# Altium PCB PCBV1.PcbDoc (part 2 of 3) (continued)
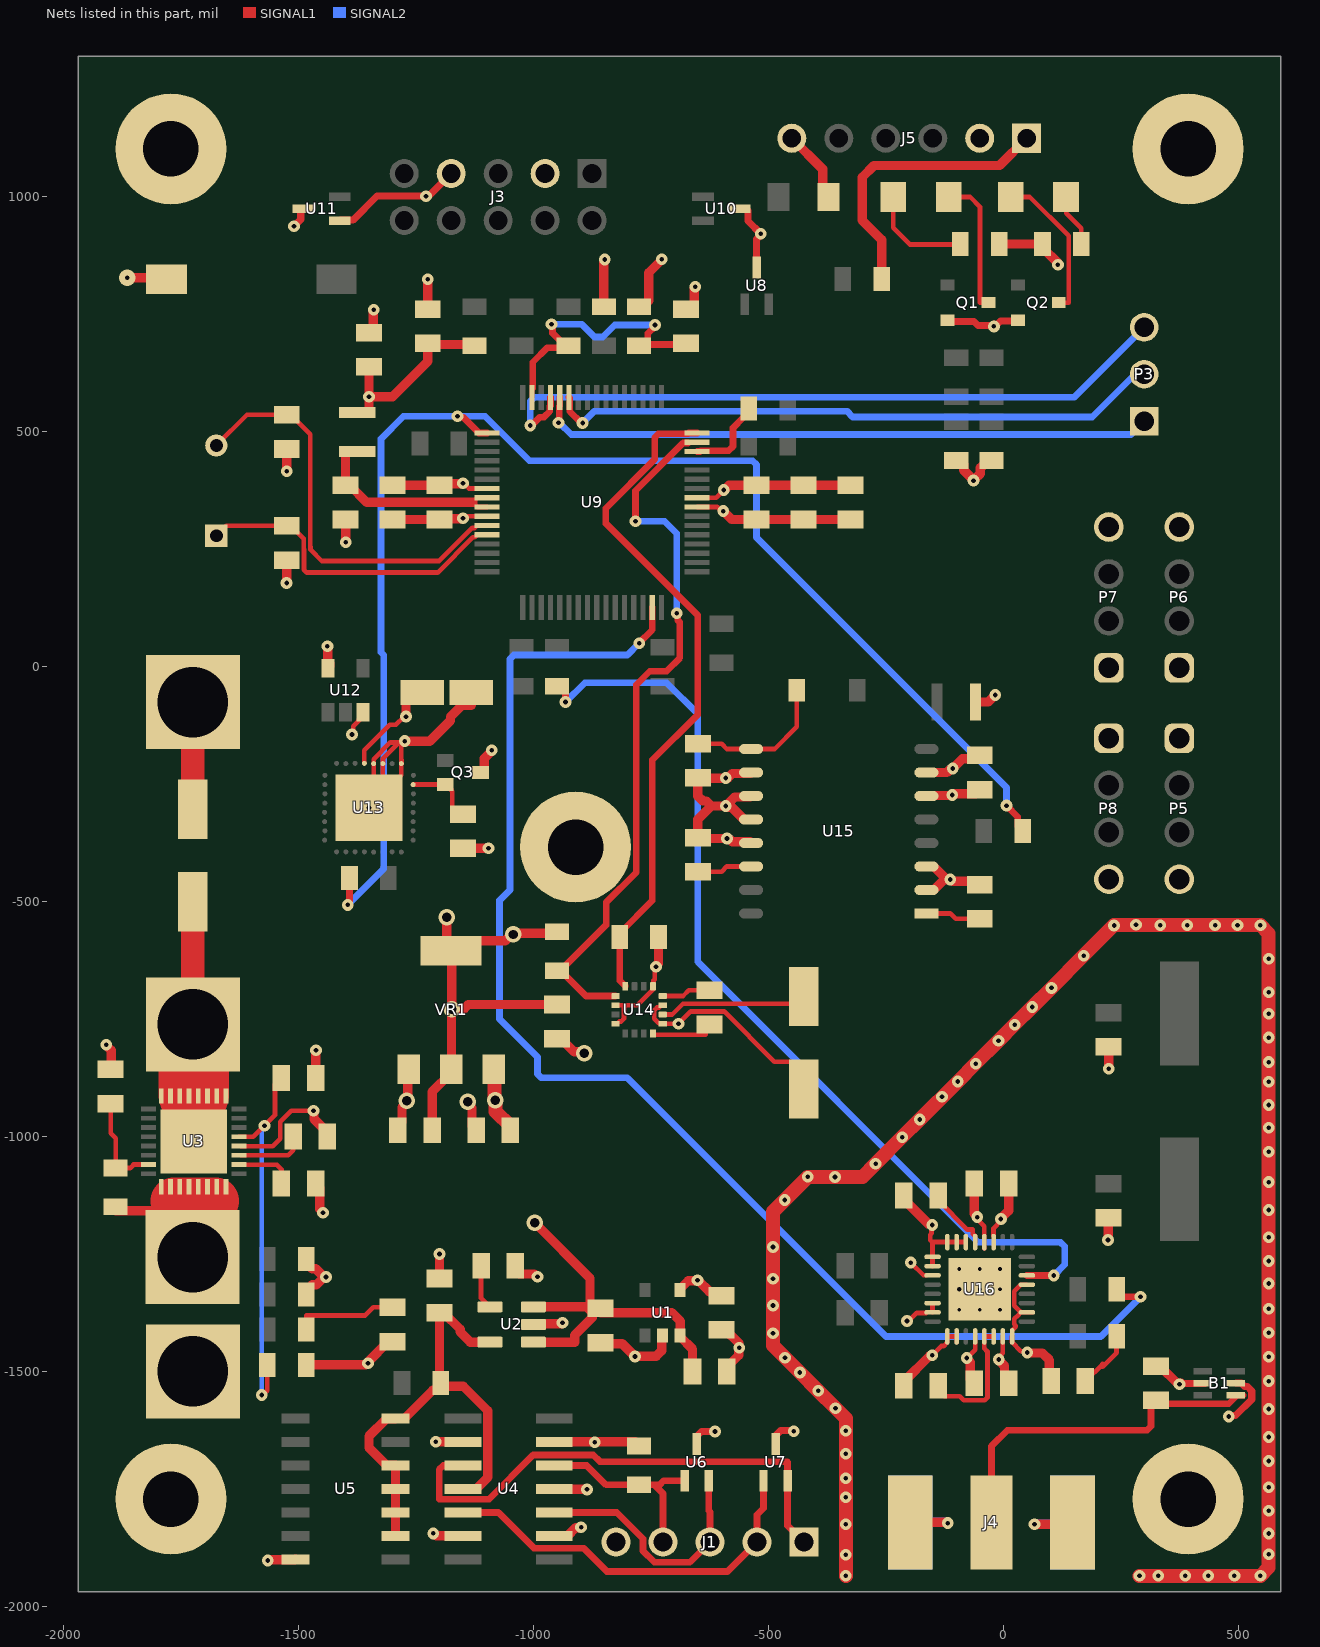
[diagram p4: the nets of this part, all layers, seen from the top]
## Part data (continued)
Y1: library part CMP-1749-00003-1, "Resistance Weld Thru-Hole Crystal, 16 MHz, -20 to 70 degC, 2-Pin THD, RoHS, Bulk", Case\Package=Axial, Max Operating Temperature="155 degC", Min Operating Temperature="-55 degC", Package Quantity=200, Power Rating="250 mW", Resistance="221 kohm", Tolerance=1%, Voltage Rating="250 V", ComponentLink1Description="Manufacturer URL", ComponentLink1URL=http://www.foxonline.com/, ComponentLink2Description=Datasheet, ComponentLink2URL=http://www.foxonline.com/pdfs/hc49slf.pdf, DatasheetVersion=Mar-15, Length="0.248 inch", Mount="Through Hole", PackageDescription="2-Pin Through Hole Device, Body 11.35 x 4.65 mm", PackageReference=FOXSLF160-20, Packaging=Bulk, RoHSCompliant=true

## Free pads (board coordinates)
  round 236.22 hole 118.11: 1(-1771.65,-1771.65) 1(-1771.65,1102.36) 1(-910.16,-383.86) 1(393.7,-1771.65) 1(393.7,1102.36)

## Via types
v1: diameter 25, hole 10, SIGNAL1 to SIGNAL2, 203 vias
v2: diameter 19.68, hole 7.87, SIGNAL1 to SIGNAL2, 9 vias
v3: diameter 35, hole 20, SIGNAL1 to SIGNAL2, 8 vias
v4: diameter 35, hole 10, SIGNAL1 to SIGNAL2, 2 vias

## Nets (pads, with @x,y where several pads share a name; then routed paths per layer and width w, separated by ;. In a path a pad name is that pad's centre, name@x,y a point inside that pad or via, vN(x,y) a via of type N, cw(c..) or ccw(c..) an arc to the next point about the centre after c; other vN are vias at no path point)
+3V3: C7.1 C14.1 C15.1 C16.1 C17.1 C18.1 C19.1 C24.1 C26.1 C28.2 C31.2 CB3.2 CB4.2 J3.7 J5.2 L1.1 L2.1 P5.1 P6.1 P7.1 P8.1 Q3.3 R9.2 R10.2 R15.2 R16.2 R28.1 R29.1 U9.7 U9.41 U11.1 U12.5 U13.5 U14.2 U14.4 U14.13 U15.6 U16.15 U16.28 VR1.2 VR1.4 | length 3488.3
  SIGNAL1 w10: U13.5@-1359.84,-205.51 -1359.84,-177.94 -1305.44,-123.54 -1292.6,-123.54 -1275.12,-106.07 v1(-1271.18,-106.07) ; C24.1@-1223.77,687.35 C24.1@-1222.54,686.12 ; v1(-1149.77,390.92) -1148.38,390.92 -1136.98,379.53 U9.7@-1098.5,379.53 ; U14.4@-825.2,-759.84 -822.24,-759.84 -817.46,-755.06 -813.2,-755.06 -807.34,-749.2 -807.34,-725.91 -801.9,-720.47 ; U14.2@-825.2,-720.47 -801.9,-720.47 ; v1(-739.16,-638.5) -742.03,-641.37 -742.03,-665.43 -744.57,-667.97 -744.57,-686.43 -778.61,-720.47 -801.9,-720.47 ; U9.41@-651.5,359.84 -610.9,359.84 v1@-594.88,375.87 ; v1(-55.24,-1171.44) -55.24,-1175.5 -40.16,-1190.58 U16.28@-40.16,-1224.61 U16.28@-40.16,-1238.37 ; v1(-9.68,-1474.4) -9.68,-1470.34 -0.79,-1461.45 U16.15@-0.79,-1425.39
  SIGNAL1 w15: U11.1@-1411.91,949.41 -1410.69,950.63 -1384.41,950.63 -1333.2,1001.83 v1(-1228.55,1001.83) -1226.64,1003.75 -1221.25,1003.75 J3.7@-1175,1050
  SIGNAL1 w20: v1(-1438.53,43.9) -1437.97,43.33 -1437.97,-2.19 U12.5@-1437.4,-2.76 -1433.62,1.02 U12.5@-1433.62,6.93 ; L1.1@-1375,541.34 -1351.81,541.34 -1350,543.15 v1(-1350,575) ; C19.1@-1350,638.58 v1(-1350,575) ; C17.1@-1300,386.42 C14.1@-1200,386.42 -1196.45,389.97 -1150.73,389.97 v1(-1149.77,390.92) ; v1(-1271.18,-106.07) -1271.18,-70.88 -1254.61,-54.3 C26.1@-1236.77,-54.3 ; C24.1@-1225,688.58 -1225,650 -1300,575 v1(-1350,575) ; C24.1@-1222.54,686.12 R16.2@-1127.46,686.12 ; C7.1@-1215.61,-986.57 -1215.61,-904.78 -1175,-864.17 VR1.2@-1175,-856.3 -1174.28,-855.58 -1174.28,-729.6 v3(-1173.56,-728.88) ; v3(-1184.19,-532.97) -1184.19,-595.14 VR1.4@-1175,-604.33 ; Q3.3@-1112.6,-225 -1108.66,-225 -1104.88,-221.22 -1104.88,-195.17 -1088.77,-179.06 v1(-1088.77,-177.7) ; C28.2@-950,-718.9 -1138.58,-718.9 -1147.48,-727.79 -1172.48,-727.79 v3(-1173.56,-728.88) ; R29.1@-950,-563.98 -952.91,-566.89 -1039.68,-566.89 v3(-1042.55,-569.76) -1046.61,-569.76 -1059.69,-582.84 -1153.5,-582.84 VR1.4@-1175,-604.33 ; R15.2@-775,766.34 -767.13,766.34 -754.41,779.05 -754.41,838.64 -726.69,866.36 v1(-726.69,867.71) ; v1(-739.16,-638.5) -739.16,-637.15 -733.66,-631.66 R28.1@-733.66,-575 ; v1(-594.88,376.51) -593.52,376.51 -583.61,386.42 C15.1@-525,386.42 C18.1@-425,386.42 C16.1@-325,386.42 ; U15.6@-163.37,-275 -162.26,-273.9 v1@-109.76,-273.9 ; v1(-108.66,-272.8) -107.31,-272.8 -104.63,-270.12 -58.7,-270.12 C31.2@-50,-261.42 C31.2@-51.44,-259.98 ; CB3.2@-61.42,-1100 -61.42,-1163.9 -55.24,-1170.09 v1(-55.24,-1171.44) ; L2.1@-58.66,-75 -31.85,-75 v1(-16.87,-60.02) ; v1(-9.68,-1474.4) -9.68,-1475.75 2.72,-1488.15 2.72,-1516.3 CB4.2@11.42,-1525 ; R10.2@-8.66,900 R9.2@83.66,900 83.66,892.13 116.39,859.4 v1(116.39,855.88) ; VR1.4@-1175,-604.33 -1173.56,-605.77 v3(-1173.56,-728.88)
+3V3_A: C20.1 L1.2 U9.8 U9.9 | length 448.8
  SIGNAL1 w10: U9.9@-1098.5,340.16 -1119.5,340.16 -1129.34,350 -1119.5,359.84 U9.8@-1098.5,359.84
  SIGNAL1 w20: L1.2@-1375,458.66 -1393.19,458.66 -1400,451.85 C20.1@-1400,386.42 -1391.14,386.42 -1354.72,350 -1129.34,350
+3V3_REF: C1.1 R2.2 U1.4 U4.2 U4.6 U4.9 U4.13 | length 486.1
  SIGNAL1 w10: R2.2@-783.66,-1650 R2.2@-775,-1658.66
  SIGNAL1 w20: v1(-1213.43,-1844.65) -1212.07,-1844.65 -1207.22,-1849.5 -1150.5,-1849.5 U4.6@-1150,-1850 ; v1(-1208.1,-1649.4) -1207.8,-1649.7 -1150.3,-1649.7 U4.2@-1150,-1650 ; U4.9@-956,-1850 -927.5,-1850 -910.3,-1832.8 -899.42,-1832.8 v1(-898.47,-1831.85) ; U4.13@-956,-1650 -870.07,-1650 v1(-869.2,-1650.87) ; v1@-869.83,-1650 -869.2,-1650 R2.2@-783.66,-1650 ; U1.4@-687.6,-1326.77 -687.6,-1323.82 -670.64,-1306.86 -651.79,-1306.86 v1(-650.83,-1305.91) -649.48,-1305.91 -625.5,-1329.88 -608.7,-1329.88 C1.1@-600,-1338.58
+5: C5.1 R1.2 U2.5 U4.4 U5.9 U5.10 U5.11 U5.12 U5.14 | length 1094.2
  SIGNAL1 w10: U4.4@-1178.5,-1750 U4.4@-1150,-1750
  SIGNAL1 w20: U5.9@-1293.5,-1850 U5.10@-1293.5,-1800 U5.11@-1293.5,-1750 U5.12@-1293.5,-1700 -1294,-1699.5 -1313,-1699.5 -1350,-1662.5 -1350,-1637.5 -1313,-1600.5 -1294,-1600.5 U5.14@-1293.5,-1600 -1274.5,-1600 -1274,-1599.5 -1214.42,-1539.92 -1204.7,-1539.92 -1200,-1535.22 -1200,-1524.33 -1200,-1474.31 C5.1@-1200,-1375 -1191.14,-1375 -1155.87,-1410.28 -1155.87,-1415.83 -1134.29,-1437.4 U2.5@-1092.52,-1437.4 ; R1.2@-1196.99,-1524.33 -1189.89,-1531.43 -1149.27,-1531.43 -1097,-1583.7 -1097,-1725.5 -1121,-1749.5 -1149.5,-1749.5 U4.4@-1150,-1750
+12: C2.1 C3.1 P1.1 R6.2 U1.3 U2.1 U2.3 U3.9 U3.10 U3.11 U3.12 U3.13 U3.14 U3.15 U3.16 | length 1172.1
  SIGNAL1 w20: R6.2@-1889.17,-1157.68 -1785.75,-1157.68 -1764.84,-1136.76 ; U2.1@-1000,-1437.4 -912.4,-1437.4 -912.4,-1422.9 -874.61,-1385.1 C2.1@-874.61,-1374.46 ; U2.3@-1000,-1362.6 -886.47,-1362.6 C2.1@-874.61,-1374.46 ; v3(-997.35,-1183.61) -879.61,-1301.36 -879.61,-1352.06 C2.1@-872.79,-1358.87 ; C3.1@-661.42,-1500 -661.42,-1452.36 -687.6,-1426.18 U1.3@-687.6,-1423.23 -687.6,-1392.72 -705.31,-1375 C2.1@-856.67,-1375 ; C2.1@-874.61,-1374.46 -865.9,-1365.76 C2.1@-861.48,-1370.19 ; C2.1@-861.48,-1370.19 C2.1@-856.67,-1375 ; C2.1@-861.48,-1370.19 C2.1@-856.67,-1375
  SIGNAL1 w100: -1764.84,-1136.76 -1693.63,-1136.76 ; -1713.32,-1136.76 -1693.63,-1136.76 ; -1676.2,-1136.76 -1693.63,-1136.76
  SIGNAL1 w150: P1.1@-1725.49,-1256.76 P1.1@-1725.49,-1176.05
+12_PROT: C6.1 C8.1 J5.1 P4.1 R8.2 U3.25 U3.26 U3.27 U3.28 U3.29 U3.30 U3.31 U3.32 U3.33 VR1.3 | length 1225
  SIGNAL1 w20: U3.31@-1772.39,-913.76 U3.30@-1752.7,-913.76 U3.29@-1733.01,-913.76 -1727.16,-913.76 -1723.16,-909.76 ; R8.2@-258.66,825 -258.66,908.66 -300.12,950.12 -300.12,1042.07 -275.06,1067.13 -7.87,1067.13 J5.1@50,1125
  SIGNAL1 w30: VR1.3@-1084.45,-856.3 -1082.52,-858.23 -1082.52,-921.8 -1080.6,-923.71 -1080.6,-946.23 -1049.12,-977.72 C6.1@-1049.12,-986.57
  SIGNAL1 w50: P4.1@-1725,-760.98 C8.1@-1725,-500
  SIGNAL1 w150: P4.1@-1725,-760.98 -1723.16,-762.82 -1723.16,-909.76
  other v3: -1081.56,-922.76
BALLUN_100: B1.1 C34.1 J4.1 | length 773.9
  SIGNAL1 w14.28: J4.1@-25,-1821 -25,-1659 9,-1625 306.3,-1625 314.66,-1616.63 314.66,-1572.98 326.22,-1561.42 335.08,-1561.42 342.28,-1568.62 412.03,-1568.62 480.11,-1568.62 498.14,-1550.59 B1.1@510.43,-1550.59
CELL_1: J1.1 U4.3 U7.2 | length 1088.6
  SIGNAL1 w14.28: U4.3@-1150,-1700 -1191.64,-1700 -1200.61,-1708.98 -1200.61,-1771.98 -1094.61,-1771.98 -1000.61,-1677.98 -872.61,-1677.98 -858.61,-1691.98 -460.07,-1691.98 -459.07,-1692.98 U7.2@-459.07,-1732.31 -459.07,-1828.25 J1.1@-424.2,-1863.12
CELL_2: J1.2 U4.5 U7.1 | length 840.6
  SIGNAL1 w14.28: U4.5@-1150,-1800 -1074.59,-1800 -998.61,-1875.98 -893.61,-1875.98 -843.61,-1925.98 -587.06,-1925.98 J1.2@-524.2,-1863.12 -524.2,-1804.98 -510.25,-1791.03 U7.1@-510.25,-1732.31
CELL_3: J1.3 U4.10 U6.2 | length 540.5
  SIGNAL1 w14.28: U4.10@-956,-1800 -822.59,-1800 -766.61,-1855.98 -766.61,-1881.98 -742.61,-1905.98 -667.06,-1905.98 J1.3@-624.2,-1863.12 -624.2,-1798.98 -626.65,-1796.53 U6.2@-626.65,-1732.31
CELL_4: J1.4 R2.1 U4.12 U6.1 | length 428.4
  SIGNAL1 w14.28: U4.12@-956,-1700 -886.61,-1700 -845.28,-1741.34 R2.1@-775,-1741.34 -742.61,-1741.34 ; J1.4@-724.2,-1863.12 -724.2,-1759.75 -742.61,-1741.34 ; U6.1@-677.83,-1732.31 -722.59,-1732.31 -731.61,-1741.34 -742.61,-1741.34
GND: B1.2 B1.5 C1.2 C2.2 C3.2 C4.2 C5.2 C6.2 C7.2 C8.2 C9.2 C10.2 C11.2 C12.2 C13.1 C14.2 C15.2 C16.2 C17.2 C18.2 C19.2 C20.2 C21.2 C22.1 C23.1 C24.2 C25.1 C26.2 C27.1 C28.1 C29.1 C31.1 C32.2 C33.1 C34.2 C35.1 CB1.1 CB2.1 CB3.1 CB4.1 CX3.1 CX4.1 DS1.2 J1.5 J3.3 J4.2 J4.3 J5.6 P2.1 P5.4 P6.4 P7.4 P8.4 P9.1 pad.1 Q1.2 Q2.2 R3.2 R4.2 R7.2 R13.1 R14.1 R21.1 SW1.1 U1.2 U2.2 U3.20 U4.11 U5.7 U6.3 U7.3 U8.3 U9.10 U9.40 U10.3 U11.3 U12.3 U13.1 U13.3 U13.4 U13.33 U14.9 U14.11 U15.2 U15.3 U15.7 U15.10 U15.11 U15.12 U15.13 U16.1 U16.2 U16.3 U16.6 U16.7 U16.9 U16.10 U16.12 U16.16 U16.18 U16.21 U16.27 U16.30 U16.31 U16.32 U16.33 VR1.1 | length 11336.4
  SIGNAL1 w10: U3.20@-1622.66,-1020.36 -1554.91,-1020.36 -1539.12,-1004.57 -1539.12,-968.71 -1515.6,-945.19 v1(-1468.1,-945.19) ; C23.1@-1525.9,226.26 C23.1@-1525,227.16 ; C22.1@-1525.26,463.32 C22.1@-1525,463.58 ; v1@-1445.42,-1298.8 v1(-1441.36,-1298.8) v1@-1444.23,-1295.93 ; v1(-1386.06,-144.22) -1383.19,-141.35 -1383.19,-126.63 -1371.38,-114.82 -1371.38,-111.93 -1362.6,-103.15 U12.3@-1362.6,-97.24 ; v4(-1350,-300) U13.33@-1340.16,-290.16 ; U13.3@-1320.47,-205.93 U13.3@-1320.47,-206.1 ; -1281.1,-169.25 U13.1@-1281.1,-206.1 ; -1280.98,-197.59 -1280.98,-205.98 U13.1@-1281.1,-206.1 ; v1@-1273.49,-159.44 -1275.13,-161.08 v1@-1285.62,-161.08 ; v1(-1149.93,316.24) -1145.87,316.24 -1141.64,320.47 U9.10@-1098.5,320.47 ; U14.11@-724.8,-720.47 -727.75,-720.47 -732.53,-725.25 -736.8,-725.25 -742.66,-731.11 -742.66,-749.2 -732.92,-758.94 -725.71,-758.94 U14.9@-724.8,-759.84 -724.74,-759.78 -691.42,-759.78 v1(-691.35,-759.71) -665.36,-733.72 -593.71,-733.72 -487,-840.43 -451.5,-840.43 -425,-866.93 C32.2@-425,-898.43 ; U9.40@-651.5,340.16 -608.58,340.16 -599.81,331.38 v1(-595.75,331.38) ; v1(-204.82,-1392.42) -200.76,-1392.42 -183.75,-1375.41 -164.23,-1375.41 U16.7@-163.11,-1374.29 ; v1(-196.77,-1268.28) -169.66,-1295.39 U16.3@-163.11,-1295.39 ; v1(-151.2,-1465.4) -131.75,-1445.95 -126.82,-1445.95 -118.9,-1438.03 U16.9@-118.9,-1425.39 U16.10@-99.21,-1425.39 U16.10@-99.21,-1438.03 ; v1(-151.2,-1188.1) -152.46,-1189.36 -152.46,-1205.82 -155.62,-1208.99 -155.62,-1220.22 -150.47,-1225.37 ; U16.7@-150.39,-1374.21 U16.6@-150.39,-1354.53 ; U16.2@-150.39,-1275.79 U16.1@-150.39,-1256.1 -150.47,-1256.02 -150.47,-1225.37 ; U16.32@-118.98,-1224.53 -149.63,-1224.53 -150.47,-1225.37 ; U16.32@-118.9,-1224.61 U16.31@-99.21,-1224.61 U16.30@-79.53,-1224.61 ; v1(-77.73,-1471.5) -59.84,-1453.61 U16.12@-59.84,-1425.39 ; U16.27@-20.47,-1211.89 -20.47,-1194.98 -4.94,-1179.45 v1(-4.94,-1175.39) ; U16.16@18.9,-1425.39 18.9,-1438.03 37.66,-1456.79 48.33,-1456.79 v1(51.2,-1459.66) ; U16.16@18.98,-1412.68 26.55,-1405.1 26.55,-1402.54 23.68,-1399.66 23.68,-1388.13 31.83,-1379.98 31.99,-1379.98 37.76,-1374.21 U16.18@38.04,-1374.21 ; U16.21@50.39,-1315.16 37.76,-1315.16 31.99,-1320.92 31.83,-1320.92 23.68,-1329.08 23.68,-1360.29 31.83,-1368.45 32.28,-1368.45 U16.18@38.04,-1374.21 ; U16.18@63.03,-1374.21 U16.18@50.39,-1374.21 U16.18@38.04,-1374.21 ; CX4.1@223.45,-1173.95 CX4.1@224.25,-1173.15 ; CX3.1@224.25,-809.02 CX3.1@224.41,-809.18 ; U13.33@-1340.16,-290.16 U13.4@-1340.16,-206.1 -1340.16,-196.51 -1304.73,-161.08 v1@-1285.62,-161.08 ; U13.33@-1340.16,-290.16 U13.33@-1320.47,-270.47 ; U13.33@-1320.47,-270.47 U13.3@-1320.47,-206.1 ; U13.33@-1320.47,-270.47 -1281.1,-231.1 U13.1@-1281.1,-206.1 ; U13.3@-1320.47,-206.1 -1320.35,-205.98 -1320.35,-195.81 v1@-1285.62,-161.08
  SIGNAL1 w15: v1(-1509.49,937.78) -1495.27,952 -1495.27,973.22 -1493.77,974.72 U11.3@-1489.91,974.72 ; U6.3@-652.24,-1654.31 -650.74,-1652.81 -650.74,-1636.55 -641.96,-1627.76 v1(-613.37,-1627.76) ; U10.3@-561,975 -547,975 -543,971 -543,948.78 v1(-516.02,921.8) -516.02,919.09 -525,910.11 U8.3@-525,850 ; U7.3@-484.66,-1654.31 -483.16,-1652.81 -483.16,-1634.89 -474.38,-1626.1 -446.66,-1626.1 v1(-445.66,-1627.1) ; Q1.2@-118.31,737.6 -115.86,735.16 -62.36,735.16 -53.71,726.5 -21.77,726.5 v1(-19.86,724.59) ; v1@-19.86,729.21 -17.15,726.5 -15.24,726.5 -5.57,736.17 30.27,736.17 Q2.2@31.69,737.6 ; v1@378.41,-1525.3 B1.5@429.88,-1525.3 ; v1(479.97,-1596) 481.89,-1594.09 494.77,-1594.09 529.07,-1559.79 529.07,-1541.39 519.63,-1531.95 513.96,-1531.95 507.01,-1525 B1.2@495.43,-1525
  SIGNAL1 w20: v1(-1909.12,-804.62) -1909.12,-805.98 -1898.88,-816.22 -1898.88,-848.24 -1900,-849.36 C12.2@-1900,-856.94 ; v4(-1864.58,828.18) -1784.08,828.18 SW1.1@-1780.91,825 ; v1(-1565.74,-1902.36) -1564.56,-1901.18 -1507.68,-1901.18 U5.7@-1506.5,-1900 ; C23.1@-1525.9,226.26 -1525.17,225.53 -1525.17,178.32 v1(-1525.34,178.15) ; v1(-1525.26,416.26) C22.1@-1525.26,463.32 ; R7.2@-1483.66,-1485.98 -1356.72,-1485.98 -1353.4,-1482.67 v1(-1352.05,-1482.67) -1351.09,-1481.71 -1351.09,-1478.65 -1308.86,-1436.42 C9.2@-1300,-1436.42 ; R4.2@-1483.66,-1335.98 -1483.66,-1328.11 -1470.95,-1315.39 -1462.01,-1315.39 v1@-1445.42,-1298.8 ; R3.2@-1483.66,-1260.98 -1483.66,-1268.86 -1470.95,-1281.57 -1463.07,-1281.57 -1448.72,-1295.93 v1@-1444.23,-1295.93 ; v1(-1468.1,-945.19) -1467.14,-946.15 -1467.14,-962.58 -1438.58,-991.14 C10.2@-1438.58,-1000 ; C13.1@-1463.58,-1100 -1454.88,-1108.7 -1454.88,-1154.07 -1448.06,-1160.89 v1(-1448.06,-1162.24) ; C11.2@-1462.68,-874.82 -1463.13,-874.38 -1463.13,-816.44 v1(-1462.68,-815.99) ; C20.2@-1400,313.58 -1399.87,313.45 -1399.87,265.45 v1(-1399.74,265.32) ; C19.2@-1350,711.42 -1349.52,711.42 -1340.81,720.12 -1340.81,759.13 v1(-1339.86,760.09) ; C17.2@-1300,313.58 C14.2@-1200,313.58 ; C7.2@-1288.44,-977.72 -1279.74,-969.02 -1279.74,-937.98 -1269.9,-928.13 v3(-1269.9,-924.07) -1267.72,-921.9 -1267.72,-858.47 VR1.1@-1265.55,-856.3 ; v1@-1273.49,-158.21 -1220.38,-158.21 -1176.51,-114.34 -1176.51,-106.36 -1152.13,-81.97 -1132.44,-81.97 ; C24.2@-1225,761.42 v1(-1225,825) ; C5.2@-1200,-1302.16 v1(-1200.03,-1250.05) ; C14.2@-1199.95,313.63 -1198.29,315.29 -1150.88,315.29 v1(-1149.93,316.24) ; C25.1@-1150,-386.42 -1149.62,-386.04 v1(-1095.41,-386.04) ; v3(-1139.5,-926.22) -1139.5,-930.28 -1130.65,-939.13 -1130.65,-977.87 C6.2@-1121.95,-986.57 ; C4.2@-1038.58,-1275 -1038.58,-1283.86 -1029.88,-1292.56 -998.48,-1292.56 -992.56,-1298.48 v1(-991.2,-1298.48) ; U2.2@-1000,-1400 -998.12,-1398.12 -940.16,-1398.12 v1(-938.28,-1396.25) ; U4.11@-956,-1750 -955.49,-1750.51 -886.48,-1750.51 v1(-885.97,-1751.01) ; C28.1@-950,-791.73 -941.14,-791.73 -913.16,-819.71 -894.95,-819.71 v3(-892.08,-822.58) ; R21.1@-857.87,766.34 R21.1@-850,766.34 -850,863.77 -848.34,865.43 v1(-848.34,866.78) ; C2.2@-857.05,-1438.6 -854.96,-1440.68 -811.2,-1440.68 v1(-783.96,-1467.92) ; v1@-781.65,-1467.27 -738.53,-1467.27 -726.81,-1455.55 -726.81,-1425.04 U1.2@-725,-1423.23 ; C21.2@-675,761.42 -666.14,761.42 -657.44,770.12 -657.44,805.98 -655.7,807.71 v1(-655.7,809.07) ; C1.2@-600,-1411.42 -591.14,-1411.42 -563.08,-1439.48 -563.08,-1448.67 v1(-562.13,-1449.62) -563.08,-1450.58 -563.08,-1465.64 -588.58,-1491.14 C3.2@-588.58,-1500 ; v1(-595.75,331.38) -577.95,313.58 C15.2@-525,313.58 C18.2@-425,313.58 C16.2@-325,313.58 ; U15.13@-536.63,-375 -538.81,-372.83 -576.63,-372.83 -583.94,-365.51 v1(-588,-365.51) -648.07,-365.51 C27.1@-650,-363.58 -650,-325 -621.39,-296.39 ; U15.12@-536.63,-325 -551.74,-325 -577.48,-299.26 -587.58,-299.26 v1(-590.45,-296.39) ; U15.11@-536.63,-275 -538.81,-277.17 -571.24,-277.17 v1(-590.45,-296.39) ; U15.10@-536.63,-225 -538.81,-227.17 -576.91,-227.17 -586.62,-236.89 v1(-590.68,-236.89) -649.53,-236.89 C33.1@-650,-236.42 -650,-275 -639.3,-285.7 -632.09,-285.7 -621.39,-296.39 ; J5.6@-450,1125 -384.53,1059.53 -384.53,1012.68 DS1.2@-371.85,1000 ; CB1.1@-211.42,-1530.32 -211.42,-1521.46 -156.31,-1466.35 -152.16,-1466.35 v1(-151.2,-1465.4) ; CB2.1@-211.42,-1125 -211.42,-1133.86 -158.13,-1187.15 -152.16,-1187.15 v1(-151.2,-1188.1) ; J4.3@-197.5,-1821 -120.98,-1821 -119.21,-1822.77 v1(-117.85,-1822.77) ; U15.2@-163.37,-475 -147.9,-475 -126.51,-453.62 -113.8,-453.62 v1(-112.84,-452.66) -111.49,-452.66 -107.56,-456.59 -56.99,-456.59 C29.1@-50,-463.58 ; U15.3@-163.37,-425 -147.9,-425 v1@-121.19,-451.71 ; U15.7@-163.37,-225 -119.89,-225 -111.6,-216.71 v1(-107.54,-216.71) -86.7,-195.87 -57.29,-195.87 C31.1@-50,-188.58 ; R13.1@-100,439.02 -92.13,439.02 -84.41,431.3 -84.41,418.63 -63.43,397.65 v1(-63.43,396.3) ; v1(-77.73,-1471.5) -77.73,-1472.85 -70.12,-1480.47 -70.12,-1516.3 CB4.1@-61.42,-1525 ; v1@-61.8,397.93 -48.54,411.19 -48.54,423.35 -32.87,439.02 R14.1@-25,439.02 ; v1(-4.94,-1175.39) -4.94,-1174.04 11.42,-1157.68 CB3.1@11.42,-1100 ; v1(51.2,-1459.66) 52.16,-1460.62 83.06,-1460.62 98.24,-1475.8 98.24,-1516.65 C35.1@102.16,-1520.57 ; v1(66.51,-1825.39) 143.11,-1825.39 J4.2@147.5,-1821 ; v1(222.87,-1220.32) 223.56,-1219.63 223.56,-1174.06 CX4.1@223.45,-1173.95 ; CX3.1@224.41,-809.18 224.36,-809.23 224.36,-855.26 v1(224.46,-855.37) ; C34.2@335.08,-1488.58 335.08,-1489.8 371.62,-1526.35 374.1,-1526.35 v1(375.06,-1527.3) 376.41,-1527.3 v1@378.41,-1525.3 ; -621.39,-296.39 v1(-590.45,-296.39)
  SIGNAL1 w30: v1(-335,-1935) v1(-335,-1890) v1(-335,-1825) v1(-335,-1767.5) v1(-335,-1727.04) v1(-335,-1675.22) v1(-335,-1626.39) -335,-1600 v1(-356.99,-1578.01) v1(-393.76,-1541.24) v1(-432.78,-1502.22) v1(-464.41,-1470.59) -490,-1445 v1(-490,-1418.57) v1(-490,-1359.41) v1(-490,-1302.5) v1(-490,-1235) -490,-1160 v1(-465,-1135) -415.98,-1085.98 v1(-357.92,-1085.98) -299.87,-1085.98 v1(-271.64,-1057.75) v1(-215.15,-1001.26) v1(-177.56,-963.68) v1(-96.64,-882.75) v1(-58.64,-844.75) v1(-9.96,-796.07) v1(24.34,-761.77) v1(61.72,-724.39) v1(102.6,-683.51) v1(171.22,-614.89) 236.11,-550 v1(334.44,-550) v1(391.77,-550) v1(451.05,-550) v1(498.83,-550) v1(547.43,-550) 565,-567.57 v1(565,-621.72) v1(565,-692.77) v1(565,-738.76) v1(565,-789.34) v1(565,-841.46) v1(565,-883.36) v1(565,-932.92) v1(565,-981.46) v1(565,-1032.56) v1(565,-1096.94) v1(565,-1156.19) v1(565,-1214.46) v1(565,-1265.05) v1(565,-1312.56) v1(565,-1366.21) v1(565,-1417.82) v1(565,-1468.41) v1(565,-1520.52) v1(565,-1580) v1(565,-1639.58) v1(565,-1690.67) v1(565,-1746.37) v1(565,-1796.44) v1(565,-1844.98) v1(565,-1888.93) 565,-1917.43 v1(547.43,-1935) v1(492.06,-1935) v1(436.7,-1935) v1(387.45,-1935) v1(290,-1935)
  SIGNAL1 w50: C8.2@-1725,-303.15 P2.1@-1725,-75
  SIGNAL2 w20: J4.3@-197.5,-1821 -120.98,-1821 -119.21,-1822.77 v1(-117.85,-1822.77) ; v1(66.51,-1825.39) 143.11,-1825.39 J4.2@147.5,-1821
  other v1: 330,-1935 -93.31,-1325 -416.09,-1085.41 -130.18,-915.34 236.03,-550.82 282.67,-549.12 -1274.12,-158.21
  other v2: -93.31,-1368.31 -50,-1368.31 -6.69,-1368.31 -93.31,-1325 -50,-1325 -6.69,-1325 -93.31,-1281.69 -50,-1281.69 -6.69,-1281.69
I2C_HREQ: P3.3 U9.61 | length 1508.4
  SIGNAL1 w14.28: v1(-1006.91,513.64) -1004.01,513.64 -986.31,531.34 -977.67,531.34 -965.22,543.79 -965.22,554.14 -963.58,555.78 U9.61@-963.58,573.5
  SIGNAL2 w14.28: v1(-1006.91,513.64) -1007.03,513.76 -1007.03,565.13 -998.67,573.5 150.9,573.5 P3.3@300,722.6
I2C_SCL: P3.2 U9.59 | length 1316.2
  SIGNAL1 w14.28: U9.59@-924.21,573.5 -922.57,571.86 -922.57,543.79 -897.83,519.05 v1(-895.27,519.05)
  SIGNAL2 w14.28: v1(-895.27,519.05) -870.24,544.08 -332.64,544.08 -320.41,531.84 189.56,531.84 271.37,613.66 291.06,613.66 P3.2@300,622.6
I2C_SCL_MAG: R29.2 U9.47 U14.1 | length 1524.3
  SIGNAL1 w14.28: R29.2@-950,-646.65 R29.2@-942.13,-646.65 ; U14.1@-825.2,-700.79 -887.99,-700.79 R29.2@-942.13,-646.65 ; v1(-782.92,309.76) -782.92,374.61 -681.21,476.31 U9.47@-670.86,476.31 ; v1(-695.04,113.73) -692.99,111.68 -692.99,99.39 -688.27,94.67 -688.27,19.01 -716.86,-9.59 -752.31,-9.59 -780.91,-38.19 -780.91,-437.4 -845.2,-501.68 -845.2,-549.72 R29.2@-942.13,-646.65
  SIGNAL2 w14.28: v1(-782.92,309.76) -720.62,309.76 -695.04,284.19 v1(-695.04,113.73)
I2C_SDA: P3.1 U9.60 | length 1324.1
  SIGNAL1 w14.28: v1(-946.75,519.31) -945.32,520.73 -945.32,554.14 -943.9,555.57 U9.60@-943.9,573.5
  SIGNAL2 w14.28: v1(-946.75,519.31) -944.41,519.31 -919.51,494.4 271.8,494.4 P3.1@300,522.6
I2C_SDA_MAG: R28.2 U9.48 U14.16 | length 1460.3
  SIGNAL1 w14.28: U14.16@-804.53,-680.12 -804.53,-679.64 -816.34,-667.83 R28.2@-816.34,-575 -816.34,-567.13 -747.02,-497.8 -747.02,-198.58 -650,-101.57 -650,109.08 -845.83,304.91 -845.83,337.55 -741.93,441.45 -741.93,487.63 -733.56,496 -670.86,496 -669.22,497.64 U9.48@-651.5,497.64
MISO_2: R27.2 R30.2 U9.1 | length 3040.2
  SIGNAL1 w14.28: v1(-1395.35,-506.81) -1395.35,-503.91 -1391.34,-499.9 R27.2@-1391.34,-450 ; v1(-1161.73,533.39) -1159.68,531.34 -1149.92,531.34 -1116.22,497.64 U9.1@-1098.5,497.64 ; v1(7.05,-295.48) 31.03,-319.46 31.03,-339.69 R30.2@41.34,-350
  SIGNAL2 w14.28: v1(-1395.35,-506.81) -1318.28,-429.74 -1318.28,24.55 -1324.64,30.91 -1324.64,485.21 -1276.46,533.39 v1(-1161.73,533.39) -1103.04,533.39 -1008.24,438.58 -533.37,438.58 -525,430.22 -525,275 7.05,-257.05 v1(7.05,-295.48)
MISO_RF: R31.1 U9.31 | length 2913.6
  SIGNAL1 w14.28: v1(-775,50) -775,50.62 -747.05,78.58 U9.31@-747.05,126.5 ; R31.1@241.34,-1325 241.34,-1330.58 251.91,-1341.15 v1(292.16,-1341.15)
  SIGNAL2 w14.28: v1(-775,50) -800,25 -1041.63,25 -1050,16.63 -1050,-475 -1072.19,-497.19 -1072.19,-749.56 -991.34,-830.41 -991.34,-866.63 -982.97,-875 -800,-875 -249.42,-1425.58 207.73,-1425.58 v1(292.16,-1341.15)
MOSI_2: R22.1 U9.46 | length 175.8
  SIGNAL1 w14.28: U9.46@-651.5,458.27 -645.33,458.27 -643.69,459.91 -584.59,459.91 -575.28,469.22 -575.28,508.59 -552.32,531.55 -551.91,531.55 -541.34,542.13 R22.1@-541.34,550
MOSI_RF: R23.1 U16.22 | length 2060.4
  SIGNAL1 w14.28: R23.1@-950,-41.34 -942.13,-41.34 -931.55,-51.91 v1(-931.55,-75.09) ; U16.22@50.39,-1295.47 50.55,-1295.63 107.6,-1295.63 v1(107.75,-1295.78)
  SIGNAL2 w14.28: v1(-931.55,-75.09) -890.39,-33.93 -716.92,-33.93 -650,-100.85 -650,-628.15 -53.06,-1225.09 122.33,-1225.09 130.7,-1233.45 130.7,-1272.84 v1(107.75,-1295.78)
NetC4_1: C4.1 U2.4 | length 95.4
  SIGNAL1 w10: C4.1@-1111.42,-1275 -1111.42,-1343.7 U2.4@-1092.52,-1362.6
NetC9_1: C9.1 R5.2 | length 220.9
  SIGNAL1 w10: R5.2@-1483.66,-1410.98 -1483.66,-1380.98 -1358.61,-1380.98 -1341.22,-1363.58 C9.1@-1300,-1363.58
NetC10_1: C10.1 U3.19 | length 145
  SIGNAL1 w10: U3.19@-1622.66,-1040.05 -1522.24,-1040.05 -1511.42,-1029.23 C10.1@-1511.42,-1000
NetC11_1: C11.1 R7.1 U3.21 | length 829.7
  SIGNAL1 w10: U3.21@-1626.66,-1000.41 -1596.25,-1000.41 v1(-1572.56,-976.72) -1550.12,-954.28 -1550.12,-888.7 C11.1@-1536.42,-875 ; v1@-1575,-1550 -1566.34,-1541.34 R7.1@-1566.34,-1485.98 R7.1@-1566.34,-1479.98
  SIGNAL2 w10: v1(-1578.04,-1549.94) -1578.04,-986.26 -1572.56,-980.78 v1(-1572.56,-976.72)
NetC12_1: C12.1 R6.1 U3.7 | length 214.3
  SIGNAL1 w10: C12.1@-1900,-929.78 -1900,-993.15 -1889.17,-1003.98 R6.1@-1889.17,-1066.94 -1858.61,-1066.94 -1851.15,-1059.48 U3.7@-1819.66,-1059.48
NetC13_2: C13.2 U3.18 | length 107.3
  SIGNAL1 w10: -1608.99,-1059.74 -1545.91,-1059.74 -1536.42,-1069.23 C13.2@-1536.42,-1100
NetC21_1: C21.1 R15.1 R17.1 U9.63 | length 639.2
  SIGNAL1 w10: U9.63@-1002.95,573.5 -1002.95,592.86 U9.63@-1001.31,592.86
  SIGNAL1 w14.28: U9.63@-1001.31,592.86 -1001.31,648.29 -970.35,679.24 -929.42,679.24 R17.1@-925,683.66 -932.87,683.66 -959.31,710.1 -959.31,727.29 v1(-961.36,729.34) ; v1(-741.25,727.45) -741.25,724.55 -756.55,709.24 -756.55,694.24 -767.13,683.66 R15.1@-775,683.66 -772.54,686.12 -677.46,686.12 C21.1@-675,688.58
  SIGNAL2 w14.28: v1(-961.36,729.34) -897.61,729.34 -870.16,701.89 -852.43,701.89 -826.87,727.45 v1(-741.25,727.45)
NetC22_2: C22.2 U9.11 Y1.2 | length 907.6
  SIGNAL1 w10: Y1.2@-1675,471.06 -1609.65,536.42 C22.2@-1525,536.42 -1516.14,536.42 -1475,495.28 -1475,255.95 -1474.44,255.39 -1474.44,249.44 -1450,225 -1201.02,225 -1130.42,295.6 -1124.69,295.6 -1120,300.29 -1099,300.29 U9.11@-1098.5,300.79
NetC23_2: C23.2 U9.12 Y1.1 | length 698.4
  SIGNAL1 w10: Y1.1@-1675,278.94 -1653.94,300 C23.2@-1525,300 ; C23.2@-1525.12,300 C23.2@-1525,300 ; U9.12@-1098.5,281.1 -1119.5,281.1 -1124.68,275.92 -1128.73,275.92 -1204.06,200.59 -1482.58,200.59 -1488.44,206.45 -1488.44,249.59 -1489,250.15 -1489,272.86 -1516.14,300 C23.2@-1525,300
NetC25_2: C25.2 Q3.2 U13.31 | length 154.8
  SIGNAL1 w10: U13.31@-1256.1,-250.79 -1256,-250.69 -1187.5,-250.69 Q3.2@-1187.4,-250.59 -1183.46,-250.59 -1174.69,-259.37 -1174.69,-263.31 -1172.56,-265.43 -1172.56,-299.88 -1158.86,-313.58 C25.2@-1150,-313.58
NetC27_2: C27.2 U15.14 | length 118.1
  SIGNAL1 w10: C27.2@-650,-436.42 -599.61,-436.42 -588.2,-425 U15.14@-536.63,-425
NetC29_2: C29.2 U15.1 | length 118.1
  SIGNAL1 w10: U15.1@-163.37,-525 -112.61,-525 -101.2,-536.42 C29.2@-50,-536.42
NetC30_1: C30.1 U14.12 | length 104.9
  SIGNAL1 w10: U14.12@-724.8,-700.79 -681.61,-700.79 -669.41,-688.58 C30.1@-625,-688.58
NetC30_2: C30.2 U14.8 | length 144.5
  SIGNAL1 w10: U14.8@-745.47,-780.51 -745.47,-782.98 -633.61,-782.98 -633.61,-761.42 C30.2@-625,-761.42
NetC32_1: C32.1 U14.10 | length 324.8
  SIGNAL1 w10: U14.10@-724.8,-740.16 -704.8,-740.16 -681.61,-716.98 -425,-716.98 C32.1@-425,-701.58
NetC33_2: C33.2 D3.1 U15.9 | length 312.7
  SIGNAL1 w10: C33.2@-650,-163.58 -599.61,-163.58 -588.2,-175 U15.9@-536.63,-175 -486.61,-175 -439.37,-127.76 D3.1@-439.37,-50
NetC35_2: C35.2 R32.1 | length 134.7
  SIGNAL1 w10: C35.2@175,-1520.57 211.42,-1484.15 211.42,-1489.98 241.34,-1460.06 R32.1@241.34,-1425
NetCB1_2: CB1.2 U16.13 U16.14 | length 278.5
  SIGNAL1 w10: CB1.2@-138.58,-1530.32 -138.58,-1539.17 -124.88,-1552.88 -92.53,-1552.88 -83.85,-1561.56 -38.99,-1561.56 -33.61,-1556.18 -33.61,-1457.52 -40.16,-1450.98 U16.13@-40.16,-1425.39 U16.14@-20.47,-1425.39
NetCB2_2: CB2.2 U16.29 | length 139.3
  SIGNAL1 w10: CB2.2@-138.58,-1125 -138.58,-1136.01 -76.61,-1197.98 -64.61,-1197.98 -64.61,-1207.2 -59.84,-1211.98 U16.29@-59.84,-1224.61
NetD1_1: D1.1 Q1.3 | length 297
  SIGNAL1 w10: D1.1@-115.94,1000 -70.61,1000 -49.61,979 -49.61,775 Q1.3@-31.69,775
NetD1_2: D1.2 R10.1 | length 223.9
  SIGNAL1 w10: D1.2@-234.05,1000 -234.05,934.46 -198.61,899.02 -91.34,899.02 R10.1@-91.34,900
NetD2_1: D2.1 Q2.3 | length 320.9
  SIGNAL1 w10: D2.1@15.95,1000 56.41,1000 139.39,917.02 139.39,775 Q2.3@118.31,775
NetD2_2: D2.2 R9.1 | length 113.4
  SIGNAL1 w10: D2.2@134.06,1000 134.06,965.31 166.34,933.02 R9.1@166.34,900